# Altium PCB GBA_V1.PcbDoc (part 1 of 4)
Units mm, origin at the board's own origin, x right, y up, seen from the top; angles counter-clockwise.
Board outline 130.69 x 72.26 mm, 4 copper layers (Top Copper, Signal Layer 1, Signal Layer 2, Bottom Copper), stack 1.169 mm thick; 185 components, 167 nets, 812 pads, 417 vias.
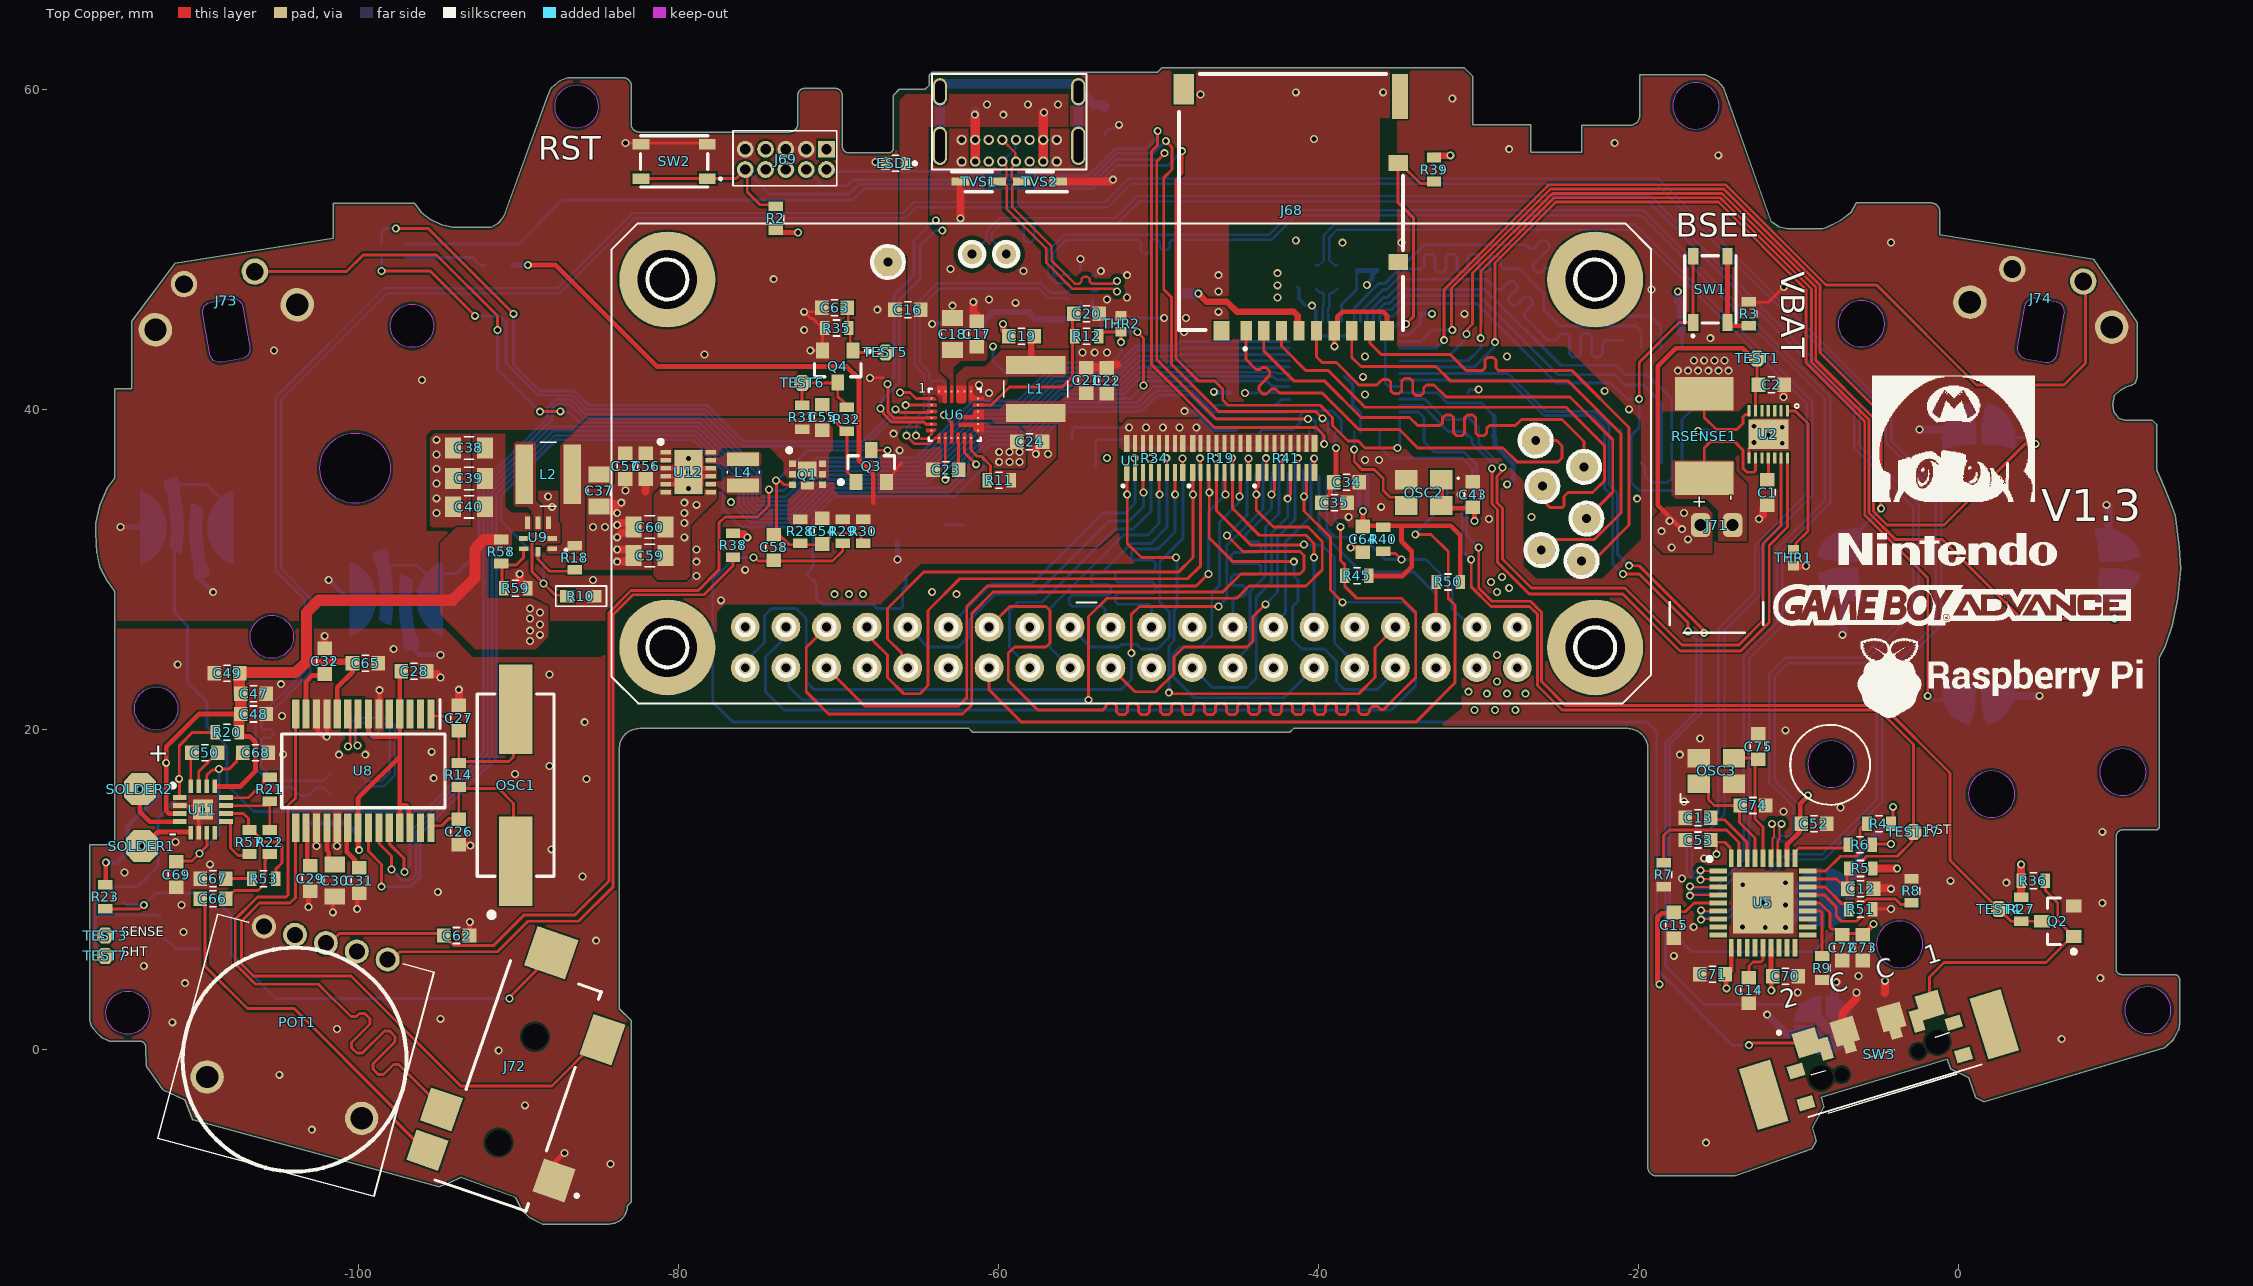
[diagram p0: Top Copper view]
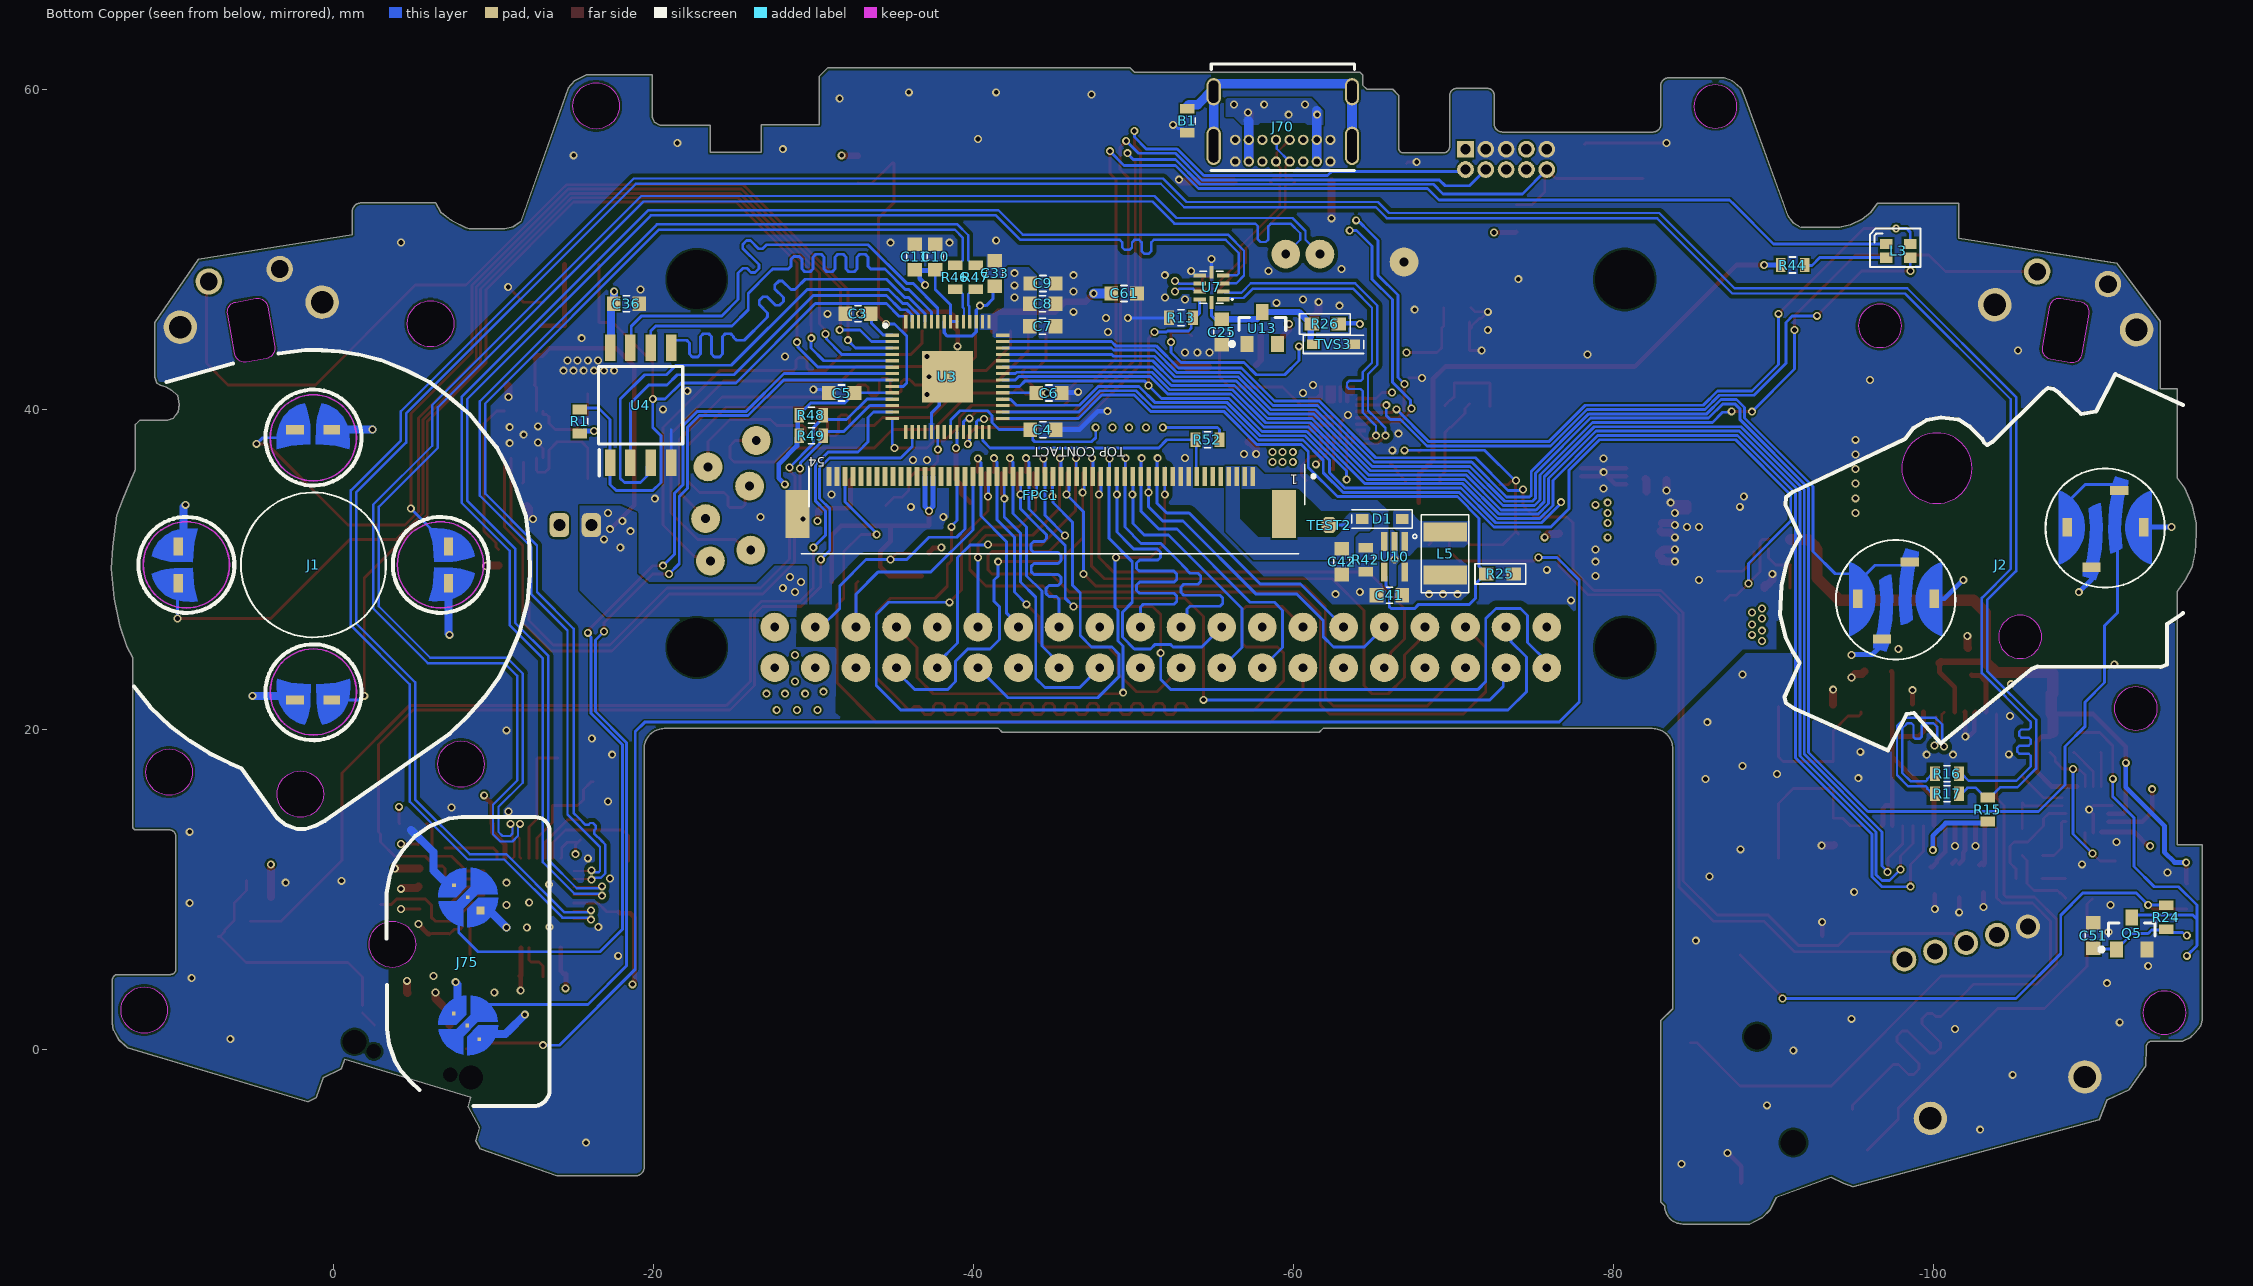
[diagram p1: Bottom Copper view, seen from below]
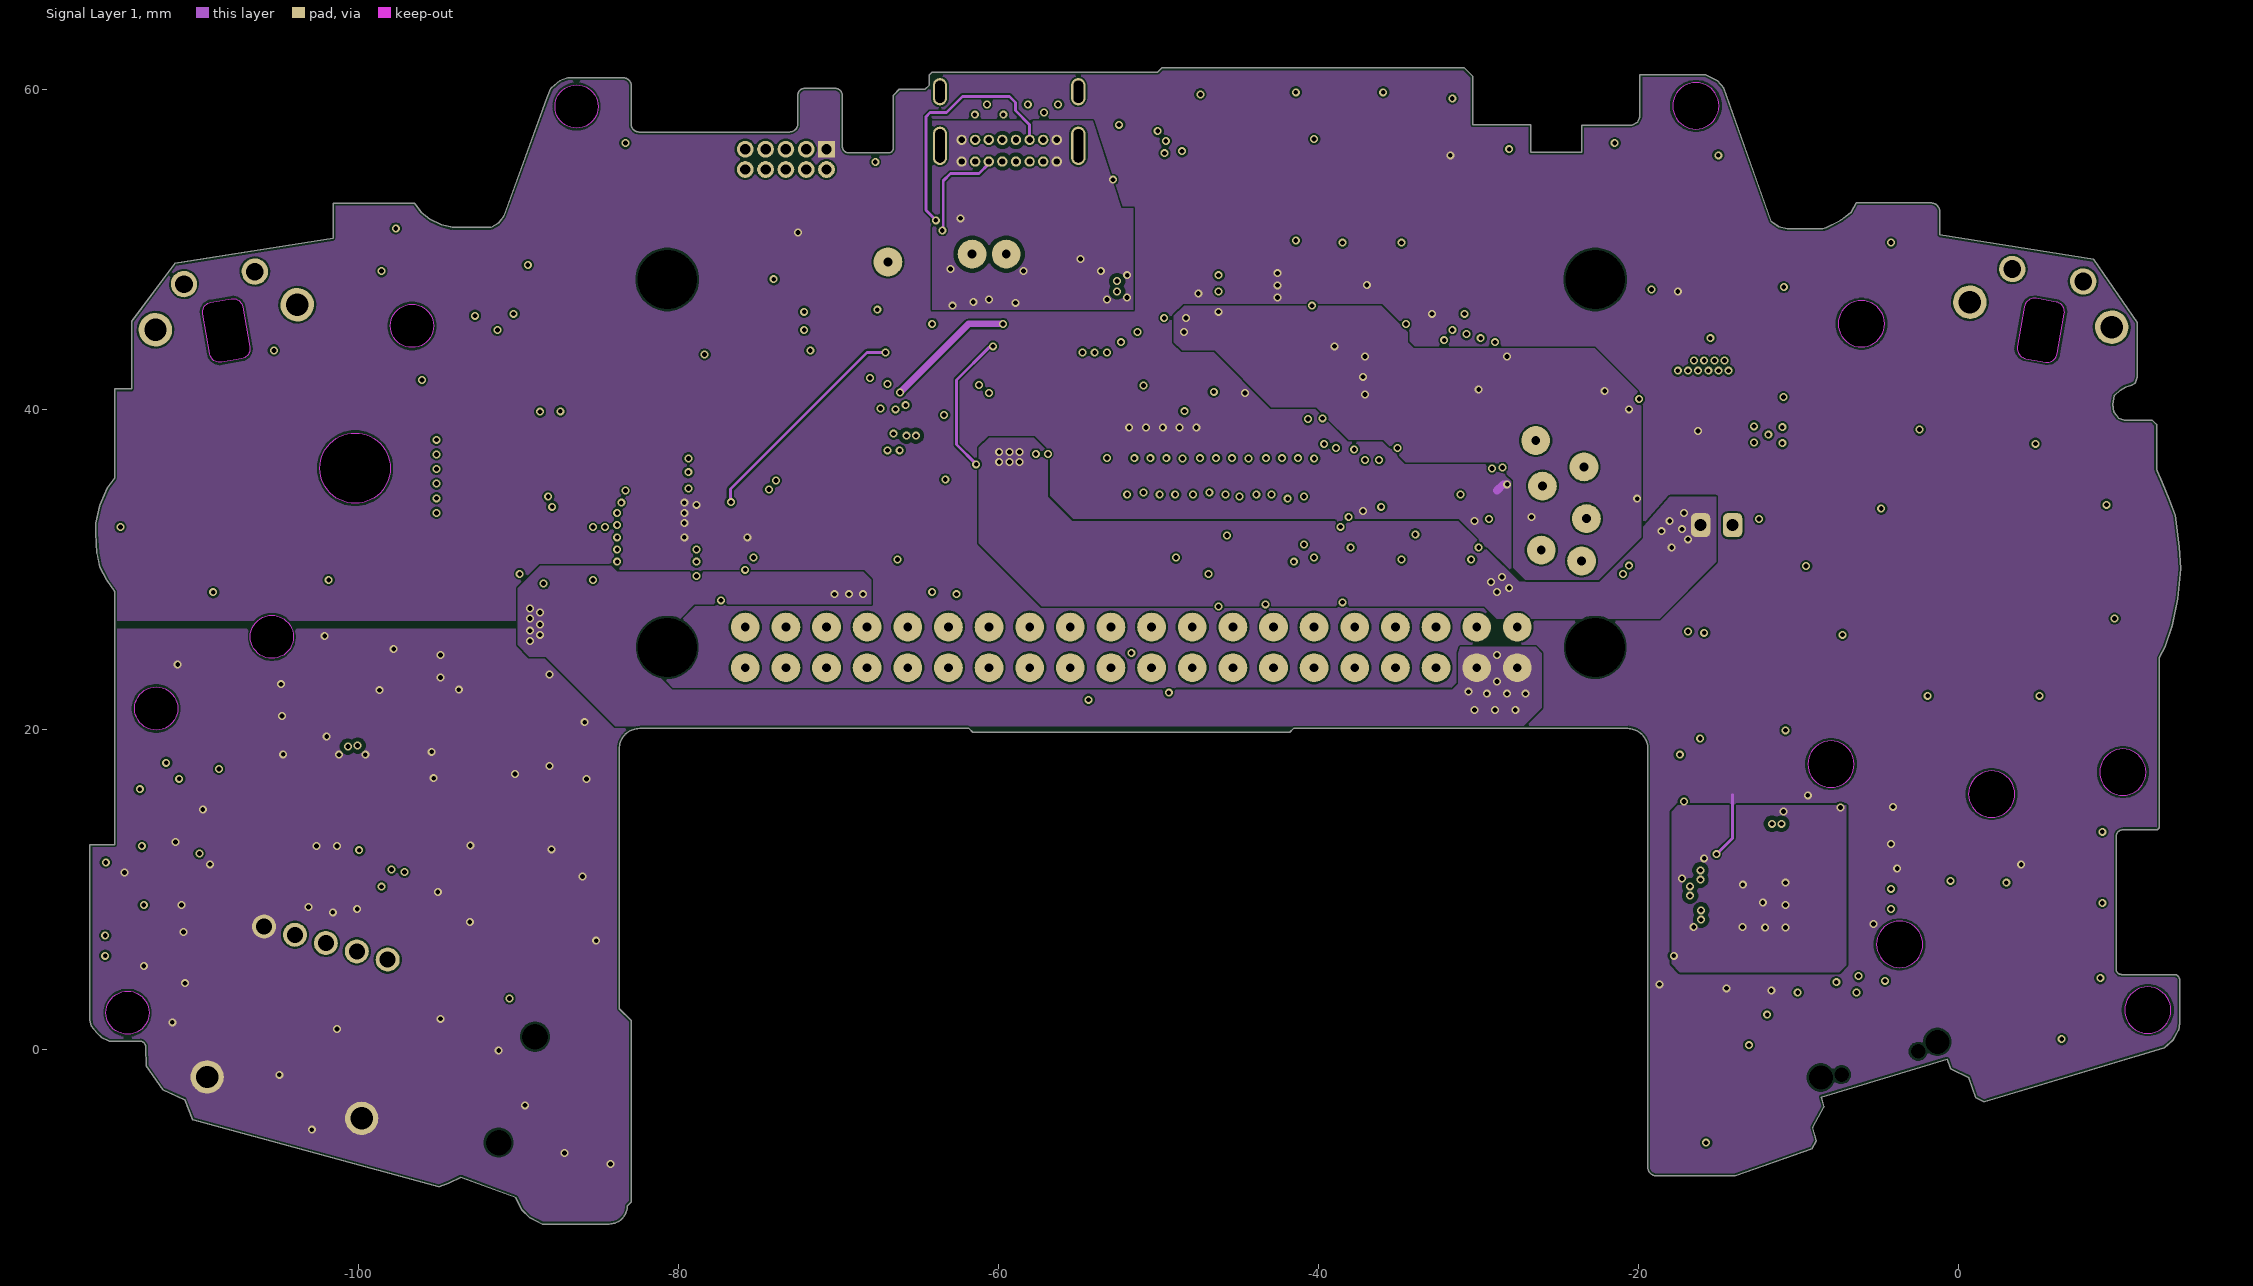
[diagram p2: Signal Layer 1]
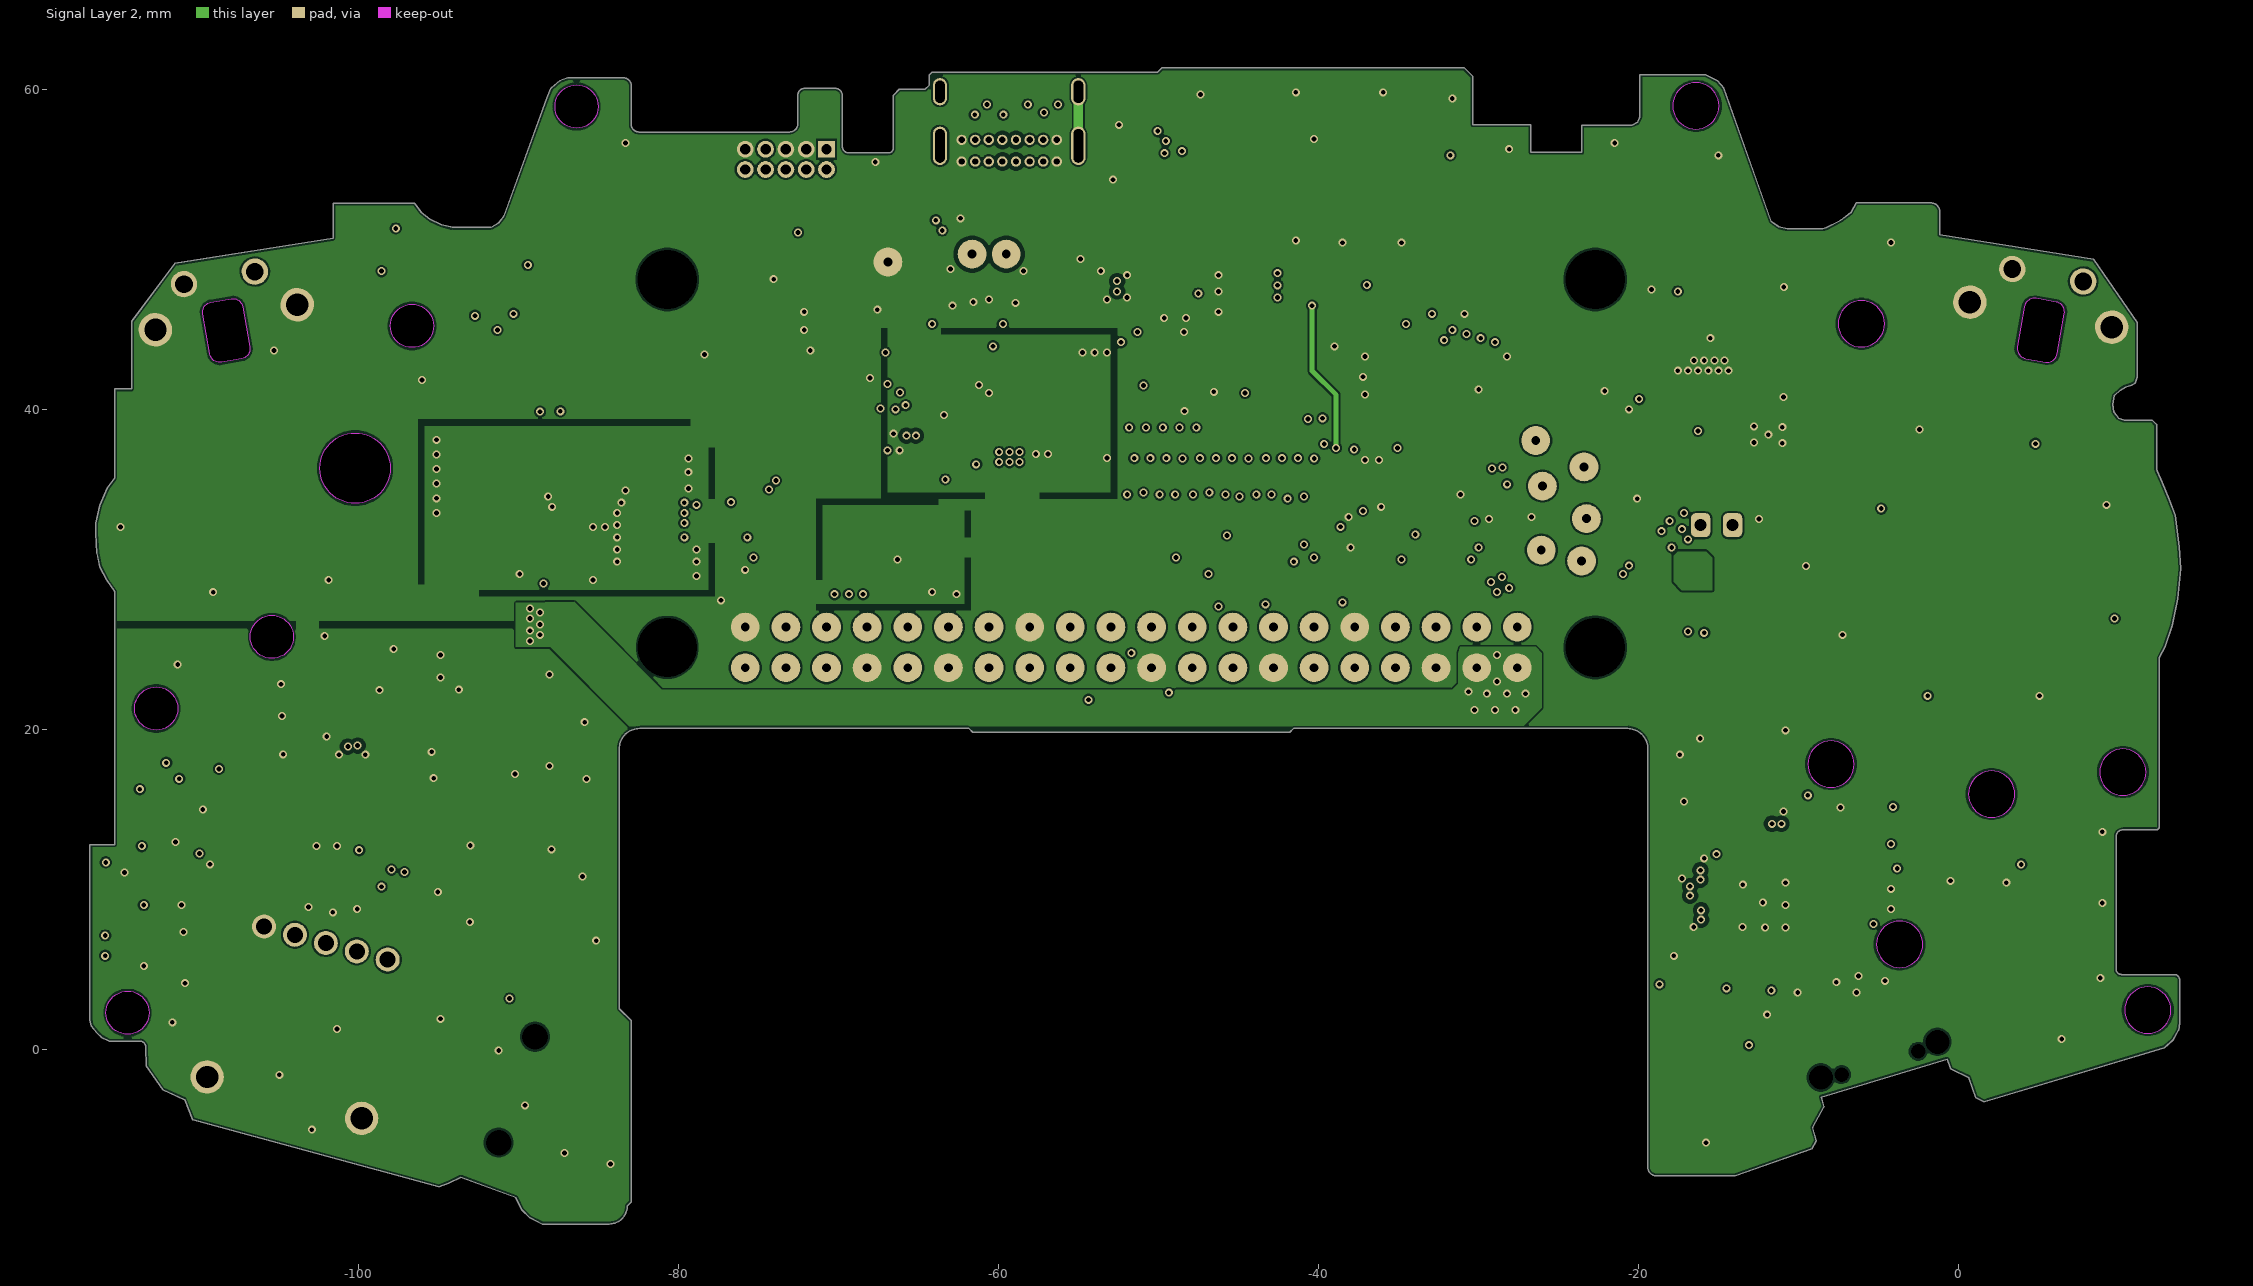
[diagram p3: Signal Layer 2]

## Layer stack, top to bottom
Top Mask: solder mask 0.015, Solder Resist, Dk 3.8
Top Copper: signal copper 0.035
Dielectric 1: prepreg 0.0994, 2313, Dk 4.05
Signal Layer 1: signal copper 0.035
Core: core 0.83, FR-4, Dk 4.5
Signal Layer 2: signal copper 0.035
Dielectric 2: prepreg 0.0994, 2313, Dk 4.05
Bottom Copper: signal copper 0.035
Bottom Mask: solder mask 0.015, Solder Resist, Dk 3.8

## Board outline
-116.332,1.016 -116.697,1.449 -116.782,1.855 -116.782,12.798 -115.23,12.798 -115.23,28.605 -115.732,29.337 -116.162,30.154 -116.339,31.012 -116.423,32.257 -116.423,32.875 -116.162,33.984 -115.69,35.094 -115.233,35.701 -115.233,41.276 -114.173,41.276 -114.173,45.507 -111.464,49.134 -101.574,50.699 -101.574,52.876 -96.477,52.876 -96.079,52.321 -95.525,51.882 -94.792,51.536 -94.122,51.369 -91.725,51.369 -91.223,51.662 -90.899,52.091 -88.217,59.443 -87.968,60.071 -87.393,60.555 -86.908,60.725 -83.44,60.725 cw(c-83.44,60.229) -82.944,60.229 -82.944,57.816 ccw(c-82.464,57.816) -82.464,57.336 -73.052,57.336 ccw(c-73.052,57.86) -72.529,57.86 -72.529,59.638 cw(c-72.099,59.638) -72.099,60.067 -70.209,60.067 cw(c-70.209,59.607) -69.749,59.607 -69.749,56.432 ccw(c-69.345,56.432) -69.345,56.028 -66.868,56.028 ccw(c-66.868,56.336) -66.56,56.336 -66.56,59.638 -66.191,60.006 -64.581,60.006 -64.31,60.277 -64.31,60.912 -64.135,61.087 -50.038,61.087 -49.784,61.341 -30.861,61.341 -30.329,60.809 -30.329,57.788 -26.71,57.788 -26.71,56.071 -23.529,56.071 -23.529,57.769 -20.397,57.769 -20.045,57.936 -19.895,58.271 -19.895,60.92 -15.784,60.92 -15.049,60.543 -14.641,60.075 -11.699,51.754 -11.215,51.414 -10.692,51.284 -8.491,51.284 -8.269,51.357 -7.369,51.807 -6.688,52.33 -6.374,52.905 -1.706,52.905 cw(c-1.706,52.351) -1.152,52.351 -1.152,50.917 8.467,49.373 11.202,45.437 11.202,42.023 11.078,41.645 10.824,41.518 10.443,41.391 10.143,41.204 9.768,40.869 9.674,40.306 9.721,39.851 10.023,39.456 10.385,39.312 12.141,39.312 12.398,39.055 12.398,36.238 12.435,36.149 12.753,35.437 13.188,34.374 13.565,33.377 13.824,31.41 13.908,30.045 13.716,28.169 13.372,26.486 12.937,25.188 12.573,24.477 12.573,13.93 cw(c12.359,13.93) 12.359,13.716 10.287,13.716 ccw(c10.287,13.302) 9.873,13.302 9.873,5.005 ccw(c10.203,5.005) 10.203,4.674 13.505,4.674 cw(c13.505,4.337) 13.842,4.337 13.842,1.641 13.772,1.197 13.412,0.559 12.889,0.101 1.941,-3.174 1.623,-3.284 1.105,-3.034 0.67,-1.782 -0.479,-1.227 -0.687,-0.628 -8.564,-2.985 -8.388,-3.59 -9.107,-4.899 -8.868,-5.72 -9.144,-6.223 -13.941,-7.91 -18.868,-7.91 cw(c-18.868,-7.377) -19.402,-7.377 -19.402,18.785 ccw(c-20.672,18.785) -20.672,20.055 -41.54,20.055 -41.783,19.812 -61.595,19.812 -61.838,20.055 -82.423,20.055 ccw(c-82.423,18.785) -83.693,18.785 -83.693,2.54 -82.931,1.778 -82.931,-9.525 -83.185,-9.779 cw(c-84.328,-9.779) -84.328,-10.922 -88.519,-10.922 -89.281,-10.541 -89.789,-10.033 -90.156,-9.266 -93.599,-8.001 -94.361,-8.382 -94.955,-8.595 -110.346,-4.416 -110.865,-3.146 -112.231,-2.52 -113.261,-1.056 -113.284,0.127 ccw(c-113.665,0.127) -113.665,0.508 -115.57,0.508 -116.078,0.762
cut-out: -105.41,24.431 cw(c-105.41,25.781) -106.76,25.781 cw(c-105.41,25.781) -105.41,27.131 cw(c-105.41,25.781) -104.06,25.781 cw(c-105.41,25.781)
cut-out: -100.203,34.122 cw(c-100.203,36.322) -102.403,36.322 cw(c-100.203,36.322) -100.203,38.522 cw(c-100.203,36.322) -98.003,36.322 cw(c-100.203,36.322)
cut-out: -86.36,57.578 cw(c-86.36,58.928) -87.71,58.928 cw(c-86.36,58.928) -86.36,60.278 cw(c-86.36,58.928) -85.01,58.928 cw(c-86.36,58.928)
cut-out: -96.647,43.869 cw(c-96.647,45.219) -97.997,45.219 cw(c-96.647,45.219) -96.647,46.569 cw(c-96.647,45.219) -95.297,45.219 cw(c-96.647,45.219)
cut-out: -114.427,0.936 cw(c-114.427,2.286) -115.777,2.286 cw(c-114.427,2.286) -114.427,3.636 cw(c-114.427,2.286) -113.077,2.286 cw(c-114.427,2.286)
cut-out: -106.786,43.903 cw(c-107.411,43.793) -107.301,43.168 -108.552,42.947 cw(c-108.662,43.572) -109.287,43.462 -109.728,45.964 cw(c-109.103,46.074) -109.213,46.699 -107.963,46.92 cw(c-107.852,46.294) -107.227,46.405
cut-out: -17.85,58.974 ccw(c-16.4,58.974) -16.4,57.524 ccw(c-16.4,58.974) -14.95,58.974 ccw(c-16.4,58.974) -16.4,60.424 ccw(c-16.4,58.974)
cut-out: 8.84,17.32 ccw(c10.29,17.32) 10.29,15.87 ccw(c10.29,17.32) 11.74,17.32 ccw(c10.29,17.32) 10.29,18.77 ccw(c10.29,17.32)
cut-out: -9.4,17.82 ccw(c-7.95,17.82) -7.95,16.37 ccw(c-7.95,17.82) -6.5,17.82 ccw(c-7.95,17.82) -7.95,19.27 ccw(c-7.95,17.82)
cut-out: -7.5,45.35 ccw(c-6.05,45.35) -6.05,43.9 ccw(c-6.05,45.35) -4.6,45.35 ccw(c-6.05,45.35) -6.05,46.8 ccw(c-6.05,45.35)
cut-out: 3.696,43.913 ccw(c4.321,43.803) 4.211,43.178 5.462,42.957 ccw(c5.572,43.582) 6.198,43.472 6.639,45.974 ccw(c6.013,46.084) 6.124,46.709 4.873,46.93 ccw(c4.763,46.304) 4.137,46.415
cut-out: -112.64,19.95 cw(c-112.64,21.3) -113.99,21.3 cw(c-112.64,21.3) -112.64,22.65 cw(c-112.64,21.3) -111.29,21.3 cw(c-112.64,21.3)
cut-out: 0.64,15.95 ccw(c2.09,15.95) 2.09,14.5 ccw(c2.09,15.95) 3.54,15.95 ccw(c2.09,15.95) 2.09,17.4 ccw(c2.09,15.95)
cut-out: -5.11,6.56 ccw(c-3.66,6.56) -3.66,5.11 ccw(c-3.66,6.56) -2.21,6.56 ccw(c-3.66,6.56) -3.66,8.01 ccw(c-3.66,6.56)
cut-out: 10.4,2.45 ccw(c11.85,2.45) 11.85,1 ccw(c11.85,2.45) 13.3,2.45 ccw(c11.85,2.45) 11.85,3.9 ccw(c11.85,2.45)

## Design rules (kind name [scope] priority, off if disabled: settings)
BoardOutlineClearance [All] p1: gap=0.15 ignorepadtopadclearanceinfootprint=FALSE except(0.4: Arc-SplitBarrior Arc-SplitContinuation Track-SplitBarrior Track-SplitContinuation SMDPad-SplitBarrior SMDPad-SplitContinuation THPad-SplitBarrior THPad-SplitContinuation Via-SplitBarrior Via-SplitContinuation Fill-SplitBarrior Fill-SplitContinuation Poly-SplitBarrior Poly-SplitContinuation Region-SplitBarrior Region-SplitContinuation Text-SplitBarrior Text-SplitContinuation)
Clearance USB [InAnyDifferentialPair] p1: gap=0.25 ignorepadtopadclearanceinfootprint=FALSE except(0.09: Arc-Arc Arc-Track Arc-SMDPad Arc-THPad Arc-Via Track-Track Track-SMDPad Track-THPad Track-Via SMDPad-SMDPad SMDPad-THPad SMDPad-Via THPad-THPad THPad-Via Via-Via; 0.127: Arc-Hole Track-Hole SMDPad-Hole THPad-Hole Via-Hole Fill-Hole Poly-Hole Region-Hole Text-Hole; 0.254: Arc-Text Track-Text SMDPad-Text THPad-Text Via-Text Fill-Text Poly-Text Region-Text Text-Text)
Clearance RGB24 [InNetClass('RGB24Bit')] p2: gap=0.09 ignorepadtopadclearanceinfootprint=FALSE except(0.12: SMDPad-Fill SMDPad-Poly SMDPad-Region THPad-Fill THPad-Poly THPad-Region Via-Fill Via-Poly Via-Region; 0.127: Arc-Hole Track-Hole SMDPad-Hole THPad-Hole Via-Hole Fill-Hole Poly-Hole Region-Hole Text-Hole; 0.25: Fill-Fill Fill-Poly Fill-Region Poly-Poly Poly-Region Region-Region; 0.254: Arc-Text Track-Text SMDPad-Text THPad-Text Via-Text Fill-Text Poly-Text Region-Text Text-Text; 0.4: Arc-Fill Arc-Poly Arc-Region Track-Fill Track-Poly Track-Region)
Clearance [All] p3: gap=0.12 ignorepadtopadclearanceinfootprint=FALSE except(0.09: Arc-Arc Arc-Track Arc-SMDPad Track-Track Track-SMDPad SMDPad-SMDPad; 0.127: Arc-Via Arc-Hole Track-Via Track-Hole SMDPad-Via SMDPad-Hole THPad-Via THPad-Hole Via-Via Via-Hole Fill-Hole Poly-Hole Region-Hole Text-Hole; 0.2: Arc-THPad Track-THPad SMDPad-THPad THPad-THPad; 0.254: Arc-Text Track-Text SMDPad-Text THPad-Text Via-Text Fill-Text Poly-Text Region-Text Text-Text)
ComponentClearance [All] p1: gap=0.127 collisioncheckmode=3 verticalgap=0.254 showdistances=FALSE
DiffPairsRouting "Schematic Differential Pairs Routing_5" [InNetClass('USB_CHARGER')] p1: maxlimit=0.18 minlimit=0.18 mostfreqgap=0.18 toplayer_minwidth=0.15 toplayer_maxwidth=0.15 toplayer_prefwidth=0.15 midlayer1_minwidth=0.15 midlayer1_maxwidth=0.15 midlayer1_prefwidth=0.15 midlayer2_minwidth=0.15 midlayer2_maxwidth=0.15 midlayer2_prefwidth=0.15 bottomlayer_minwidth=0.15 bottomlayer_maxwidth=0.15 bottomlayer_prefwidth=0.15 maxuncoupledlength=12.7
DiffPairsRouting "Schematic Differential Pairs Routing_4" [InNet('USB_D2_P')] p2: maxlimit=0.18 minlimit=0.18 mostfreqgap=0.18 toplayer_minwidth=0.15 toplayer_maxwidth=0.15 toplayer_prefwidth=0.15 midlayer1_minwidth=0.15 midlayer1_maxwidth=0.15 midlayer1_prefwidth=0.15 midlayer2_minwidth=0.15 midlayer2_maxwidth=0.15 midlayer2_prefwidth=0.15 bottomlayer_minwidth=0.15 bottomlayer_maxwidth=0.15 bottomlayer_prefwidth=0.15 maxuncoupledlength=12.7
DiffPairsRouting "Schematic Differential Pairs Routing_3" [InNet('USB_D2_N')] p3: maxlimit=0.18 minlimit=0.18 mostfreqgap=0.18 toplayer_minwidth=0.15 toplayer_maxwidth=0.15 toplayer_prefwidth=0.15 midlayer1_minwidth=0.15 midlayer1_maxwidth=0.15 midlayer1_prefwidth=0.15 midlayer2_minwidth=0.15 midlayer2_maxwidth=0.15 midlayer2_prefwidth=0.15 bottomlayer_minwidth=0.15 bottomlayer_maxwidth=0.15 bottomlayer_prefwidth=0.15 maxuncoupledlength=12.7
DiffPairsRouting "Schematic Differential Pairs Routing_2" [InNetClass('USB_LANES_AUDIO_INTERNAL')] p4: maxlimit=0.18 minlimit=0.18 mostfreqgap=0.18 toplayer_minwidth=0.15 toplayer_maxwidth=0.15 toplayer_prefwidth=0.15 midlayer1_minwidth=0.15 midlayer1_maxwidth=0.15 midlayer1_prefwidth=0.15 midlayer2_minwidth=0.15 midlayer2_maxwidth=0.15 midlayer2_prefwidth=0.15 bottomlayer_minwidth=0.15 bottomlayer_maxwidth=0.15 bottomlayer_prefwidth=0.15 maxuncoupledlength=12.7
DiffPairsRouting "Schematic Differential Pairs Routing_1" [InNetClass('USB_ZEROW')] p5: maxlimit=0.18 minlimit=0.18 mostfreqgap=0.18 toplayer_minwidth=0.15 toplayer_maxwidth=0.15 toplayer_prefwidth=0.15 midlayer1_minwidth=0.15 midlayer1_maxwidth=0.15 midlayer1_prefwidth=0.15 midlayer2_minwidth=0.15 midlayer2_maxwidth=0.15 midlayer2_prefwidth=0.15 bottomlayer_minwidth=0.15 bottomlayer_maxwidth=0.15 bottomlayer_prefwidth=0.15 maxuncoupledlength=12.7
DiffPairsRouting "Schematic Differential Pairs Routing" [InNetClass('USB_LANES_RP2040')] p6: maxlimit=0.18 minlimit=0.18 mostfreqgap=0.18 toplayer_minwidth=0.15 toplayer_maxwidth=0.15 toplayer_prefwidth=0.15 midlayer1_minwidth=0.15 midlayer1_maxwidth=0.15 midlayer1_prefwidth=0.15 midlayer2_minwidth=0.15 midlayer2_maxwidth=0.15 midlayer2_prefwidth=0.15 bottomlayer_minwidth=0.15 bottomlayer_maxwidth=0.15 bottomlayer_prefwidth=0.15 maxuncoupledlength=12.7
DiffPairsRouting [All] p7: maxlimit=0.254 minlimit=0.254 mostfreqgap=0.254 toplayer_minwidth=0.381 toplayer_maxwidth=0.381 toplayer_prefwidth=0.381 midlayer1_minwidth=0.381 midlayer1_maxwidth=0.381 midlayer1_prefwidth=0.381 midlayer2_minwidth=0.381 midlayer2_maxwidth=0.381 midlayer2_prefwidth=0.381 bottomlayer_minwidth=0.381 bottomlayer_maxwidth=0.381 bottomlayer_prefwidth=0.381 maxuncoupledlength=12.7
HoleSize [All] p1: absolutevalues=TRUE maxlimit=6.3 minlimit=0.3 maxpercent=80.000 minpercent=20.000
MinimumAnnularRing [All] p1: minimumring=0.076
MinimumSolderMaskSliver [All] p1: minsoldermaskwidth=0
PlaneClearance [All] p1: clearance=1
PlaneConnect [All] p1: planeconnectstyle=Direct reliefexpansion=0.508 reliefentries=4 reliefconductorwidth=0.254 reliefairgap=0.254
PolygonConnect PolygonConnect_1 [All] p1: connectstyle=Direct reliefconductorwidth=0.508 reliefentries=4 polygonreliefangle="45 Angle" airgapwidth=0.254
RoutingCorners [All] p1: cornerstyle=Round minsetback=2.54 maxsetback=2.54
RoutingVias [All] p1: holewidth=0.5 width=1 viastyle="Through Hole" minholewidth=0.2 minwidth=0.45 maxholewidth=1 maxwidth=2
SilkToSilkClearance [All] p1: silktosilkclearance=0.1
SilkToSolderMaskClearance [IsPad] p1: minsilkscreentomaskgap=0.1 clearancetoexposedcopper=TRUE
SolderMaskExpansion [All] p1: expansion=0.102 istentingtop=FALSE
UnRoutedNet [All] p1: checkbadconnections=TRUE
Width "Schematic Width Constraint_1" [InNetClass('SDIO/MMC')] p1: maxlimit=0.18 minlimit=0.18 preferedwidth=0.18
Width [All] p2: maxlimit=8 minlimit=0.18 preferedwidth=0.18
Width "Schematic Width Constraint" [InNetClass('RGB24Bit')] p3: maxlimit=0.254 minlimit=0.18 preferedwidth=0.18 toplayer_maxwidth=0.18 bottomlayer_maxwidth=0.18 minimp=50.000000 maximp=50.000000 favimp=50.000000
20 further rules are at their usual default settings.
